# Altium PCB CRD25DA12N-FMC V1.2 (01-2024).PcbDoc (part 5 of 6) (continued)
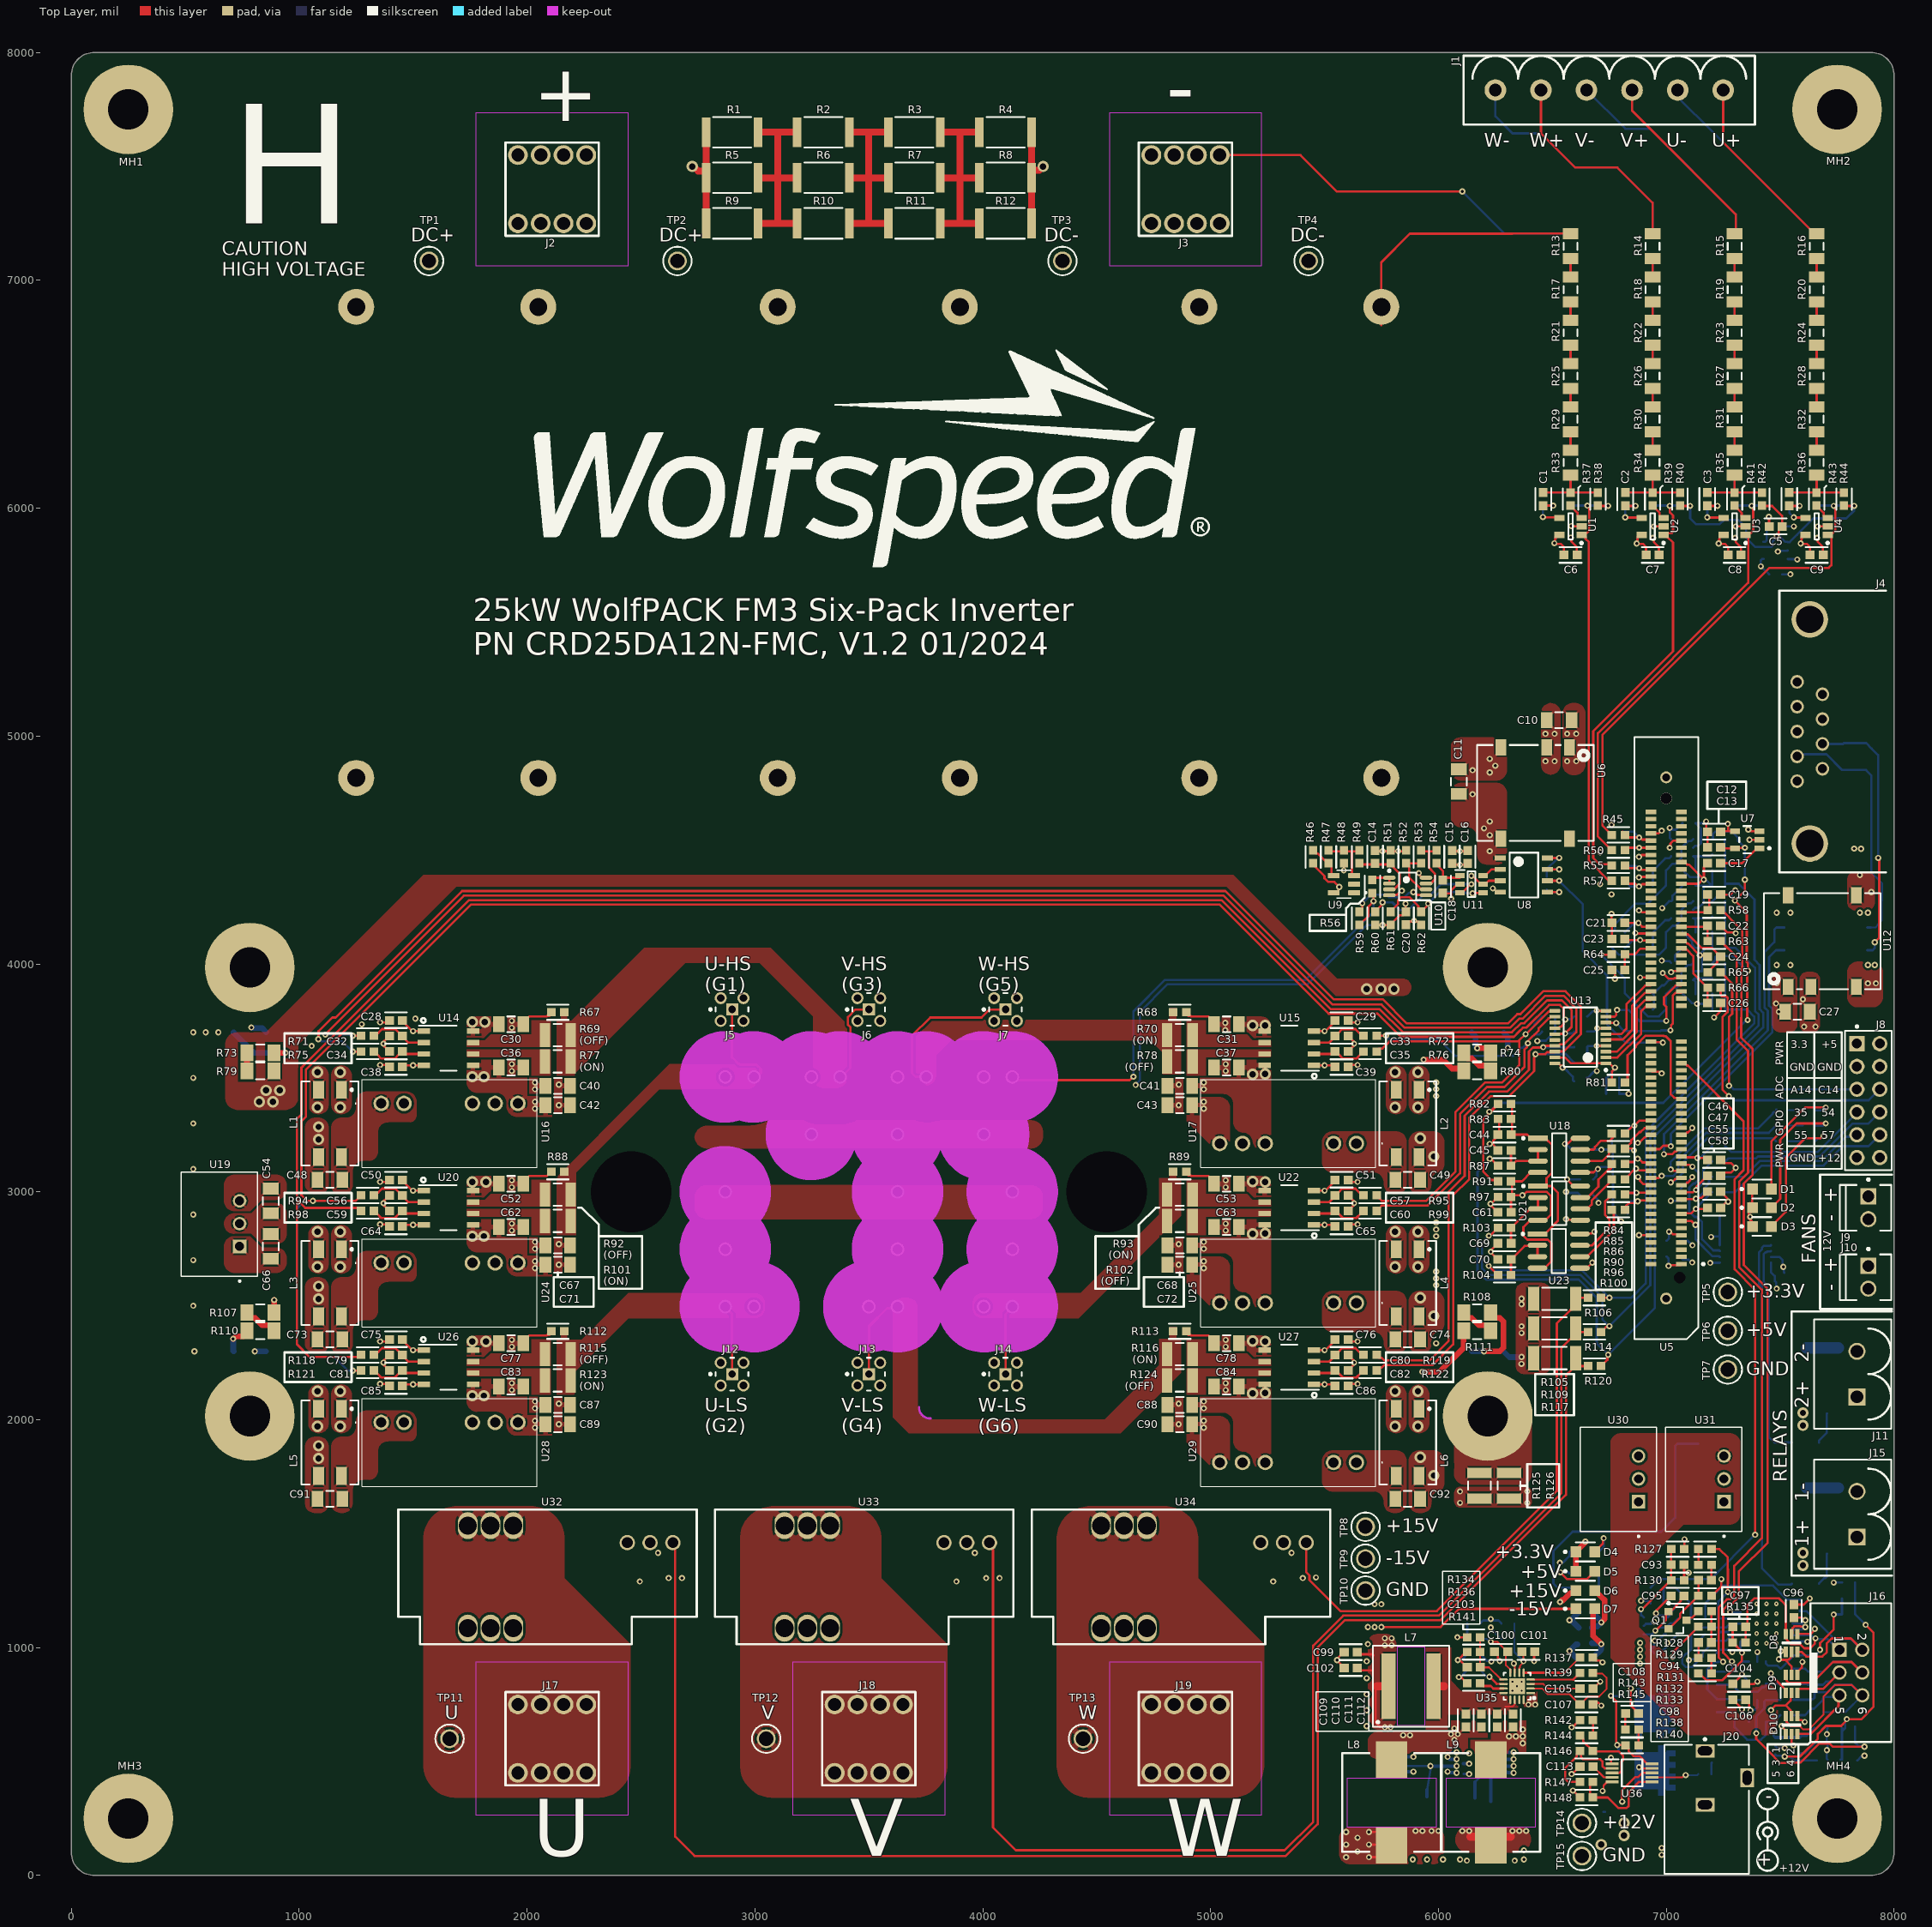
[diagram p0: Top Layer view]
## Nets (pads, with @x,y where several pads share a name; then routed paths per layer and width w, separated by ;. In a path a pad name is that pad's centre, name@x,y a point inside that pad or via, vN(x,y) a via of type N, cw(c..) or ccw(c..) an arc to the next point about the centre after c; other vN are vias at no path point) (continued)
  Bottom Layer w10: v1(1084.21,3669.48) 1088.81,3669.48 1098.29,3660 1190,3660 v1(1235,3615) ; v1(6425.85,3603.98) 6426.87,3605 6558.47,3605 6595.47,3568 R202.2@6596.38,3568
V_LS+_FILT: C82.1 R122.2 U27.2 | length 258
  Top Layer w10: U27.2@5453.27,2205 5540.42,2205 5545.21,2209.79 C82.1@5551.42,2216 ; C82.1@5546.42,2216 5546.42,2208.58 5552.86,2202.14 5562.86,2202.14 5580,2185 5640,2185 5657.52,2202.52 5657.52,2203.04 5670.47,2216 R122.2@5671.38,2216
V_LS-_FILT: C34.1 R75.2 U14.3 | length 258
  Top Layer w10: R75.2@1328.62,3616 1329.53,3616 1342.48,3603.04 1342.48,3602.52 1360,3585 1420,3585 1437.14,3602.14 1447.14,3602.14 1453.58,3608.58 C34.1@1453.58,3616 ; C34.1@1448.58,3616 1454.79,3609.79 1459.58,3605 U14.3@1546.73,3605
V_LS_PWM: U5.55 U13.2 | length 351.8
  Top Layer w10: U13.2@6735,3589.41 6785.92,3589.41 6890,3693.49 6890,3793.14 6908.75,3811.89 6931.93,3811.89 U5.55@6935,3814.96
V_OUT: J18.1 J18.2 J18.3 J18.4 J18.5 J18.6 J18.7 J18.8 TP12.1 U33.1 U33.2 U33.3
VCC: C107.1 R139.2 U35.2 | length 507.9
  Top Layer w8: U35.2@6404.39,820 U35.2@6404.23,820.16 6454.84,820.16 6480,795 6575.47,795 6620.47,750 C107.1@6621.42,750 6622.37,750 6657.37,785 6705,785 6737.5,817.5 6737.5,867.5 6719.8,885.2 6681.42,885.2 R139.2@6678.62,888
VDC_MEAS: C132.1 R57.2 U5.21 | length 205.5
  Top Layer w10: R57.2@6812.09,4355 6815.04,4352.04 6863.36,4352.04 6875.4,4340 6884.6,4340 6894.45,4349.85 6934.45,4349.85 U5.21@6935,4350.39
  Bottom Layer w10: C132.1@6822.55,4365 6837.47,4350.08 6837.47,4342.89 6840.36,4340 v1(6880,4340)
VIN: J20.1 Q5.5 R148.2 R246.2 U36.1 | length 125.9
  Top Layer w10: v1(6590.28,371.98) 6590.49,371.98 6620.47,342 R148.2@6621.38,342 ; v1(6757.39,516.18) 6757.39,490.27 6758.3,489.37 U36.1@6762.91,489.37
  Bottom Layer w10: R246.2@7198.62,445 7198.62,493.62 7200,495
VIN_MID: Q5.1 Q5.2 Q5.3 Q6.1 Q6.2 Q6.3
VIN_PROTECT: Q6.5 R247.1 U36.9 | length 57.5
  Top Layer w8: v1(6880.91,474.71) 6886.06,474.71 6891.82,468.94 6915.68,468.94 6915.68,468.84 U36.9@6935.93,468.84
VU_MEAS: C124.1 R45.2 U5.9 | length 225.3
  Top Layer w10: R45.2@6808.54,4580 6808.54,4577.05 6821.26,4564.33 6824.21,4564.33 6833.54,4555 v1(6881.1,4555) 6885.7,4555 6894.72,4545.98 6928.23,4545.98 U5.9@6933.07,4541.14
  Bottom Layer w10: C124.1@6808.54,4580 6856.1,4580 v1(6881.1,4555)
VU_N: J1.2 R149.1 | length 888.5
  Bottom Layer w10: J1.2@7050,7835 7066.17,7818.83 7066.17,7788.83 7190,7665 7190.28,7665 7650.16,7205.12 R149.1@7660,7205.12
VU_P: J1.1 R16.1 | length 805.5
  Top Layer w10: J1.1@7250,7835 7250,7605.28 7650.16,7205.12 R16.1@7660,7205.12
VV_MEAS: C125.1 R50.2 U5.11 | length 204
  Top Layer w10: R50.2@6808.54,4505 6813.54,4510 v1(6881.1,4510) 6881.28,4509.82 6933.05,4509.82 U5.11@6935,4507.87
  Bottom Layer w10: C125.1@6808.54,4505 6813.54,4510 v1(6881.1,4510)
VV_N: J1.4 R150.1 | length 967.7
  Bottom Layer w10: J1.4@6650,7835 6820,7665 6930,7665 7305,7290 7305,7210.12 R150.1@7300,7205.12
VV_P: J1.3 R15.1 | length 820.4
  Top Layer w10: J1.3@6850,7835 6850,7745 7305,7290 7305,7210.12 R15.1@7300,7205.12
VW_MEAS: C127.1 R55.2 U5.17 | length 206
  Top Layer w10: R55.2@6808.54,4430 6818.54,4420 v1(6881.1,4420) 6885.7,4420 6892.32,4413.39 U5.17@6935,4413.39
  Bottom Layer w10: C127.1@6812.55,4430 6866.5,4430 6876.5,4420 v1(6881.1,4420)
VW_N: J1.6 R151.1 | length 1097.3
  Bottom Layer w10: J1.6@6250,7835 6250,7720 6325,7645 6450,7645 6600,7495 6785,7495 6940,7340 R151.1@6940,7205.12
VW_P: J1.5 R14.1 | length 941.2
  Top Layer w10: J1.5@6450,7835 6450,7645 6600,7495 6785,7495 6940,7340 R14.1@6940,7205.12
W: Q2.W U34.4 U34.5 U34.6
W_HI_OC: C152.1 R96.2 U5.99 | length 161.7
  Top Layer w10: R96.2@6823.54,2995 6823.85,2995.31 v1(6869.39,2995.31) 6870.65,2996.57 6931.81,2996.57 U5.99@6933.07,2997.83
  Bottom Layer w10: C152.1@6823.54,2995 6823.85,2995.31 v1(6869.39,2995.31) ; v1@6869.39,3000.31 v1@6874.39,3000.31
W_HS: R76.1 R95.1 R198.2 U13.11 | length 2111.1
  Top Layer w10: R95.1@5728.62,2984 5729.53,2984 5742.48,2971.04 5742.48,2970.14 5752.62,2960 5945,2960 6075,3090 6075,3350 6205,3480 6280,3480 6355,3555 6355,3660 6355,3665 ; R76.1@5728.62,3616 5741.45,3628.83 5753.83,3628.83 5785,3660 6350,3660 6355,3665 ; v1(6382.91,3691.5) v1@6381.5,3691.5 ; U13.11@6510.59,3794.13 6507.72,3791.26 6484.71,3791.26 6384.95,3691.5 v1@6381.5,3691.5 ; 6355,3665 v1@6381.5,3691.5
  Bottom Layer w10: v1(6382.91,3691.5) 6420.72,3729.3 6420.72,3735.25 6455,3769.53 R198.2@6455,3770
W_HS+_FILT: C35.1 R76.2 U15.2 | length 258
  Top Layer w10: U15.2@5453.27,3605 5540.42,3605 5545.21,3609.79 C35.1@5551.42,3616 ; C35.1@5546.42,3616 5546.42,3608.58 5552.86,3602.14 5562.86,3602.14 5580,3585 5640,3585 5657.52,3602.52 5657.52,3603.04 5670.47,3616 R76.2@5671.38,3616
W_HS-_FILT: C57.1 R95.2 U22.3 | length 256.7
  Top Layer w10: U22.3@5453.27,2955 5521.47,2955 5550.47,2984 5550.47,2987.1 5561.24,2997.86 5577.24,3013.86 5636.14,3013.86 5653.04,2996.96 5658.42,2996.96 R95.2@5671.38,2984
W_HS_PWM: U5.50 U13.9 | length 518.5
  Top Layer w10: U13.9@6735,3768.54 6773.62,3768.54 6780.61,3775.53 6780.61,3795 v1(6783.87,3798.26) ; v1(7000,3750) 7000,3811.69 6990,3821.69 6990,3853.77 7040.83,3904.61 7064.02,3904.61 U5.50@7068.86,3909.45
  Bottom Layer w10: v1(6783.87,3798.26) 6834.2,3798.26 6882.46,3750 v1(7000,3750)
W_LO_OC: C154.1 R100.2 U5.101 | length 224.3
  Top Layer w10: R100.2@6823.54,2935 6823.54,2937.95 6836.26,2950.67 6861.87,2950.67 6869.86,2958.65 v1(6874.46,2958.65) ; v1@6874.4,2960.32 6876.53,2962.44 6932.87,2962.44 U5.101@6935,2964.57
  Bottom Layer w10: C154.1@6818.58,2915 C154.1@6830,2903.58 ; C154.1@6820,2915 6820,2931.46 6823.54,2935 6823.54,2936.97 6837.24,2950.67 6839.21,2950.67 6845.9,2957.36 6873.16,2957.36 v1(6874.46,2958.65)
W_LS: R72.1 R99.1 R200.2 U13.12 | length 2163.9
  Top Layer w10: R99.1@5728.62,2916 5729.53,2916 5742.48,2928.96 5742.48,2929.86 5752.62,2940 5953.28,2940 6095,3081.72 6095,3341.72 6213.28,3460 6289.93,3460 6377.35,3547.43 6377.35,3624.07 6389.19,3635.91 6389.19,3648.62 v1(6392.44,3651.88) ; R72.1@5728.62,3684 5729.77,3685.15 v1(5769.85,3685.15) ; v1@6389.03,3655.37 v1@6392.28,3658.62 ; v1@6392.14,3660.42 6440.35,3708.63 6440.35,3718.61 6483.57,3761.83 6488.13,3761.83 6494.84,3768.54 U13.12@6510.59,3768.54
  Bottom Layer w10: v1(5769.85,3685.15) 5785,3670 5999.69,3670 6073.19,3596.5 6328.24,3596.5 6364.34,3632.6 6371.41,3632.6 6392.14,3653.33 v1@6392.14,3658.62 ; v1@6388.03,3656.29 v1(6392.44,3651.88) ; v1@6392.14,3660.42 6422.05,3690.33 6442.52,3690.33 6455,3702.81 R200.2@6455,3703
W_LS+_FILT: C60.1 R99.2 U22.2 | length 258
  Top Layer w10: U22.2@5453.27,2905 5540.42,2905 5545.21,2909.79 C60.1@5551.42,2916 ; C60.1@5546.42,2916 5546.42,2908.58 5552.86,2902.14 5562.86,2902.14 5580,2885 5640,2885 5657.52,2902.52 5657.52,2903.04 5670.47,2916 R99.2@5671.38,2916
W_LS-_FILT: C33.1 R72.2 U15.3 | length 256.7
  Top Layer w10: U15.3@5453.27,3655 5521.47,3655 5550.47,3684 5550.47,3687.1 5561.24,3697.86 5577.24,3713.86 5636.14,3713.86 5653.04,3696.96 5658.42,3696.96 R72.2@5671.38,3684
W_LS_PWM: U5.52 U13.8 | length 504.5
  Top Layer w10: U13.8@6735,3742.95 6736.2,3741.75 6779.32,3741.75 v1(6780.52,3740.55) ; v1(7018.47,3708.51) 7021.72,3711.76 7021.72,3731.42 7028.5,3738.19 7028.5,3860.78 7040.83,3873.11 7064.02,3873.11 U5.52@7068.86,3877.95
  Bottom Layer w10: v1(6780.52,3740.55) 6816.07,3705 6973.95,3705 6977.46,3708.51 v1(7018.47,3708.51)
W_OUT: J19.1 J19.2 J19.3 J19.4 J19.5 J19.6 J19.7 J19.8 TP13.1 U34.1 U34.2 U34.3
pads on no net: HS1.1 HS1.2 HS1.4 J4.1 J4.4 J4.6 J4.8 MH1.1 MH2.1 MH3.1 MH4.1 Q2.MH1 Q2.MH2 U5. U5.1 U5.2 U5.3 U5.4 U5.5 U5.6 U5.8 U5.12 U5.14 U5.15 U5.18 U5.20 U5.23 U5.24 U5.25 U5.26 U5.27 U5.28 U5.31 U5.32 U5.41 U5.42 U5.43 U5.44 U5.45 U5.54 U5.56 U5.58 U5.59 U5.60 U5.61 U5.62 U5.63 U5.66 U5.67 U5.68 U5.69 U5.70 U5.71 U5.72 U5.73 U5.75 U5.76 U5.77 U5.78 U5.80 U5.82 U5.85 U5.86 U5.89 U5.103 U5.104 U5.105 U5.107 U5.109 U5.110 U5.113 U5.114 U5.115 U5.116 U5.117 U5.118 U5.119 U5.121 U5.122 U6.8 U9.1 U9.2 U12.8 U13.13 U13.16 U35.15 U42.11 U42.12 U42.13 U42.14 U42.15 U42.16 U43.7 U43.8

## Polygon pours and split planes (outlines as drawn)
GND on Layer 2 "Layer 2-GND" (solid, pour order 1838): 95 vertices, not listed, extent 490,50 7950,6174.89
DC+ on Layer 2 "Layer 2-DC+" (solid, pour order 2308): 4265,3185 4265,3259.86 ccw(c4210,3260) 4210,3315 2805,3315.04 2805,3312.91 ccw(c2790,3260) 2735,3260 2735,3185.09 ccw(c2790,3185) 2790,3130 4209.9,3130 ccw(c4210,3185)
DC- on Layer 2 "Layer 2-DC-" (solid, pour order 2301): 2790,2880 4209.9,2880 ccw(c4210,2935) 4265,2935.46 4265,2975 ccw(c4210,2975) 4210.01,3030 2789.63,3030 ccw(c2790,2975) 2735,2975 2735,2935.06 ccw(c2790,2935)
GND_NTC on Layer 2 "Layer 2-GND_NTC 1" (solid, pour order 2105): 4004.75,3445 4649.24,3445.01 ccw(c4649.99,3479.56) 4649.99,3445 ccw(c4649.99,3479.56) 4650,3445 ccw(c4650,3480) 4685,3480 4685,3495.01 ccw(c4650,3495) 4650.25,3530 4004.88,3530 ccw(c4005,3495) 3970,3495.19 3970,3480 ccw(c4005,3480)
S5 on Layer 2 "Layer 2-S5" (solid, pour order 2092): 29 vertices, not listed, extent 3580,3174.99 5265,3860
S4 on Layer 2 "Layer 2-S4" (solid, pour order 2086): 24 vertices, not listed, extent 3425,1775 5265,2585
S3 on Layer 2 "Layer 2-S3" (solid, pour order 1912): 31 vertices, not listed, extent 1735,3330 3555,4095
S1 on Layer 2 "Layer 2-S1" (solid, pour order 1871): 27 vertices, not listed, extent 1735,2630 3075,3875
S2 on Layer 2 "Layer 2-S2" (solid, pour order 1856): 26 vertices, not listed, extent 1735,1930 3075,2585
S6 on Layer 2 "Layer 2-S6" (solid, pour order 208): 29 vertices, not listed, extent 3925,2120 5265,3110
GND_NTC on Layer 2 "Layer 2-GND_NTC" (solid, pour order 2108): 18 vertices, not listed, extent 5425,4140 6300,4995
W_OUT on Layer 2 "Layer 2-W_OUT" (solid, pour order 650): 25 vertices, not listed, extent 4325,340 5235,1620
V_OUT on Layer 2 "Layer 2-V_OUT" (solid, pour order 649): 25 vertices, not listed, extent 2935,340 3845,1620
U_OUT on Layer 2 "Layer 2-U_OUT" (solid, pour order 927): 25 vertices, not listed, extent 1545,340 2455,1620
GND_ISO on Layer 2 "Layer 2-GND_ISO" (solid, pour order 550): 7720,4445 cw(c7718.14,4368.15) 7794.99,4366.29 7795,4365.13 7795,3855 ccw(c7840.04,3855.04) 7840.09,3810 7905.12,3810 ccw(c7905.06,3854.94) 7950,3855 7950,5523.95 ccw(c7879.48,5524.36) 7879.89,5594.88 7614.1,5594.88 ccw(c7611.97,5522.91) 7540,5525.04 7540,4515.03 ccw(c7610.02,4515.02) 7610.01,4445
+15V on Layer 4 "Layer 4-+15V" (solid, pour order 2253): 66 vertices, not listed, extent 2380,50 6905,2590
+3.3V on Layer 4 "Layer 4-+3.3V" (solid, pour order 2248): 52 vertices, not listed, extent 6015,490 7950,6175
VIN on Layer 4 "Layer 4-VIN" (solid, pour order 1731): 6615,50 7245,50 ccw(c7245,120) 7315,120 7315,530 ccw(c7245,530) 7245,600 6615,600 ccw(c6615,530) 6545,530 6545,120 ccw(c6615,120)
+15V on Layer 4 "Layer 4-+15V 1" (solid, pour order 2240): 6496.49,1263.51 ccw(c6540,1275) 6528.51,1231.49
U on Layer 4 "Bottom Layer-U" (solid, pour order 2033): 25 vertices, not listed, extent 1545,1000 2955,2845
V on Layer 4 "Bottom Layer-V" (solid, pour order 2030): 17 vertices, not listed, extent 2935,1000 3710,2845.01
W on Layer 4 "Bottom Layer-W" (solid, pour order 2029): 18 vertices, not listed, extent 4045,1000 4880,2845
DC+ on Layer 4 "Layer 4-DC+" (solid, pour order 1989): 53 vertices, not listed, extent 760,3125 6240.01,7740.1
+5V_NTC on Layer 4 "Layer 2-GND_NTC" (solid, pour order 2110): 18 vertices, not listed, extent 5425,4140 6300,4995
+12V on Layer 4 "Layer 4-+12V" (solid, pour order 1686): 20 vertices, not listed, extent 490,1590 1575,3785
+5V on Layer 4 "Layer 4-+5V 1" (solid, pour order 1716): 5960,1790 ccw(c5959.91,1835.09) 6005,1835 6005,3730.21 ccw(c5960,3730) 5960,3775 5630.72,3775 5470.31,3775 ccw(c5470.23,3729.77) 5425,3730.13 5425,1835 ccw(c5470.27,1835.27) 5470.31,1790
-3V_V_HS on Layer 4 "Layer 4--3V_V_HS" (solid, pour order 1926): 1780,3330 2180.14,3330 ccw(c2180,3375) 2225,3375 2225,3765.14 ccw(c2180,3765) 2180,3810 1779.86,3810 ccw(c1780,3765) 1735,3765 1735,3374.86 ccw(c1780,3375)
-3V_W_HS on Layer 4 "Layer 4--3V_W_HS" (solid, pour order 296): 4990,3780 4940,3780 4910,3810 4814.87,3810 ccw(c4815,3765) 4770,3765 4770,3349.83 ccw(c4815,3350) 4815,3305 4890,3305 5020,3175 5220.06,3175 ccw(c5220,3220) 5265,3220 5265,3725.1 ccw(c5220,3725) 5220,3770 5000,3770
-3V_V_LS on Layer 4 "Layer 4--3V_V_LS" (solid, pour order 1928): 4990,2380 4940,2380 4910,2410 4814.87,2410 ccw(c4815,2365) 4770,2365 4770,1949.83 ccw(c4815,1950) 4815,1905 4890,1905 5020,1775 5220.06,1775 ccw(c5220,1820) 5265,1820 5265,2325.1 ccw(c5220,2325) 5220,2370 5000,2370
-3V_W_LS on Layer 4 "Layer 4--3V_W_LS" (solid, pour order 1927): 4990,3080 4940,3080 4910,3110 4814.87,3110 ccw(c4815,3065) 4770,3065 4770,2649.83 ccw(c4815,2650) 4815,2605 4890,2605 5020,2475 5220.06,2475 ccw(c5220,2520) 5265,2520 5265,3025.1 ccw(c5220,3025) 5220,3070 5000,3070
-3V_U_HS on Layer 4 "Layer 4--3V_U_HS" (solid, pour order 1864): 1780,2630 2180.14,2630 ccw(c2180,2675) 2225,2675 2225,3065.14 ccw(c2180,3065) 2180,3110 1779.86,3110 ccw(c1780,3065) 1735,3065 1735,2674.86 ccw(c1780,2675)
-3V_U_LS on Layer 4 "Layer 4--3V_U_LS" (solid, pour order 1854): 1780,1930 2180.14,1930 ccw(c2180,1975) 2225,1975 2225,2365.14 ccw(c2180,2365) 2180,2410 1779.86,2410 ccw(c1780,2365) 1735,2365 1735,1974.86 ccw(c1780,1975)
+5V_ISO on Layer 4 "Layer 4-+5V_ISO" (solid, pour order 1210): 29 vertices, not listed, extent 7540,3810 7950,5594.88
+12V on Layer 3 "Layer 3-+12V" (solid, pour order 2246): 39 vertices, not listed, extent 5425,50 7950,3935
-15V on Layer 3 "Layer 3--15V" (solid, pour order 2204): 46 vertices, not listed, extent 2380,50 6150,1515
+15V on Layer 3 "Layer 3-+15V" (solid, pour order 2179): 7845,490 ccw(c7845,595) 7950,595 7950,1185 ccw(c7905,1185) 7905,1230 6909.9,1230 ccw(c6910,1185) 6865,1185 6865,534.97 ccw(c6910,535) 6910,490
+5V on Layer 3 "Layer 3-+5V" (solid, pour order 1603): 41 vertices, not listed, extent 5975,1800 7950,6175
DC- on Layer 3 "Layer 3-DC-" (solid, pour order 1961): 57 vertices, not listed, extent 760,2878.55 6240,7740
+5V_NTC on Layer 3 "Layer 2-GND_NTC" (solid, pour order 2109): 18 vertices, not listed, extent 5425,4140 6300,4995
V_OUT on Layer 3 "Layer 3-V_OUT" (solid, pour order 653): 3845,1015 3555,1305 3555,1475.39 ccw(c3410,1475) 3410,1620 3080.47,1620 ccw(c3079.99,1475.01) 2935,1475 2935,485 ccw(c3080,485) 3080,340 3699.83,340 ccw(c3700,485) 3845,485
+5V_ALT on Layer 3 "Layer 3-+5V_ALT" (solid, pour order 1328): 20 vertices, not listed, extent 490,1590 1575,3785
+15V_W_HS on Layer 3 "Layer 3-+15V_W_HS" (solid, pour order 652): 4990,3780 4940,3780 4910,3810 4814.87,3810 ccw(c4815,3765) 4770,3765 4770,3349.83 ccw(c4815,3350) 4815,3305 4890,3305 5020,3175 5220.06,3175 ccw(c5220,3220) 5265,3220 5265,3725.1 ccw(c5220,3725) 5220,3770 5000,3770
+15V_V_LS on Layer 3 "Layer 3-+15V_V_LS" (solid, pour order 1925): 4990,2380 4940,2380 4910,2410 4814.87,2410 ccw(c4815,2365) 4770,2365 4770,1949.83 ccw(c4815,1950) 4815,1905 4890,1905 5020,1775 5220.06,1775 ccw(c5220,1820) 5265,1820 5265,2325.1 ccw(c5220,2325) 5220,2370 5000,2370
+15V_W_LS on Layer 3 "Layer 3-+15V_W_LS" (solid, pour order 1924): 4990,3080 4940,3080 4910,3110 4814.87,3110 ccw(c4815,3065) 4770,3065 4770,2649.83 ccw(c4815,2650) 4815,2605 4890,2605 5020,2475 5220.06,2475 ccw(c5220,2520) 5265,2520 5265,3025.1 ccw(c5220,3025) 5220,3070 5000,3070
W_OUT on Layer 3 "Layer 3-W_OUT" (solid, pour order 830): 5235,1015 4945,1305 4945,1475.39 ccw(c4800,1475) 4800,1620 4470.24,1620 ccw(c4470,1475) 4325,1475 4325,485 ccw(c4470,485) 4470,340 5089.83,340 ccw(c5090,485) 5235,485
U_OUT on Layer 3 "Layer 3-U_OUT" (solid, pour order 1194): 2455,1015 2165,1305 2165,1475.39 ccw(c2020,1475) 2020,1620 1690.38,1620 ccw(c1689.99,1475.01) 1545,1475 1545,485 ccw(c1690,485) 1690,340 2309.83,340 ccw(c2310,485) 2455,485
+5V_ISO on Layer 3 "Layer 3-+5V_ISO" (solid, pour order 1265): 29 vertices, not listed, extent 7540,3810 7950,5594.88
+15V_U_LS on Layer 3 "Layer 3-+15V_U_LS" (solid, pour order 1847): 1780,1930 2180.14,1930 ccw(c2180,1975) 2225,1975 2225,2365.14 ccw(c2180,2365) 2180,2410 1779.86,2410 ccw(c1780,2365) 1735,2365 1735,1974.86 ccw(c1780,1975)
+15V_U_HS on Layer 3 "Layer 3-+15V_U_HS" (solid, pour order 1855): 1780,2630 2180.14,2630 ccw(c2180,2675) 2225,2675 2225,3065.14 ccw(c2180,3065) 2180,3110 1779.86,3110 ccw(c1780,3065) 1735,3065 1735,2674.86 ccw(c1780,2675)
+15V_V_HS on Layer 3 "Layer 3-+15V_V_HS" (solid, pour order 1879): 1780,3330 2180.14,3330 ccw(c2180,3375) 2225,3375 2225,3765.14 ccw(c2180,3765) 2180,3810 1779.86,3810 ccw(c1780,3765) 1735,3765 1735,3374.86 ccw(c1780,3375)
-15V on Bottom Layer "Bottom Layer--15V" (solid, pour order 2402): 82 vertices, not listed, extent 2380,50 6680,2600
NetC189_1 on Bottom Layer "Bottom Layer-NetC187_1" (solid, pour order 2399): 6495,370 6495,425.05 ccw(c6460.02,425.02) 6460.05,460 6389.81,460 ccw(c6390,425) 6355,425 6355,410 6355,385 6443.54,385 6443.54,295 6365,295 6365,260 ccw(c6390,260) 6390,235 6460.03,235 ccw(c6459.96,270.04) 6495,270.04
+15V on Bottom Layer "Bottom Layer-+15V 3" (solid, pour order 2396): 6405,85 6405,125 6085,125 6085,84.91 ccw(c6120,85) 6120.45,50 6370.09,50 ccw(c6370,85)
GND on Bottom Layer "Bottom Layer-GND 7" (solid, pour order 2389): 5845,50 ccw(c5845,85) 5845.42,50 6035.2,50 ccw(c6035,85) 6070,85 6070,130 5810,130 5810,84.91 ccw(c5845,85)
NetC109_2 on Bottom Layer "Bottom Layer-NetC202_2" (solid, pour order 2382): 5840,500 5840,585 6070.07,585 ccw(c6070,610) 6095,610 6095,635 ccw(c6070,635) 6070,660 5850.1,660 ccw(c5850,645) 5835,645 cw(c5820,645) 5820,630 5750,630 5720,630 ccw(c5720,595) 5685,595 5685,499.85 ccw(c5720,500) 5720,465 5804.47,465 ccw(c5805,500)
NetC198_1 on Bottom Layer "Bottom Layer-NetC214_1" (solid, pour order 2369): 5685,254.88 ccw(c5720,255) 5719.87,220 5775.12,220 ccw(c5775.12,254.88) 5810,254.88 5810,295 5720,295 5720,380 5840,380 5840,419.56 ccw(c5804.67,419.67) 5804.56,455 5719.92,455 ccw(c5719.99,420.01) 5685,419.56
NetC111_2 on Bottom Layer "Bottom Layer-NetC186_2" (solid, pour order 2359): 6389.77,470 6460,470 ccw(c6460,505) 6495,505 6495,625.15 ccw(c6459.96,624.96) 6459.96,660 6360,660 6154.92,660 ccw(c6155,625) 6120,624.99 6120,599.88 ccw(c6155,600) 6155,565 6355,565 6355,504.88 ccw(c6390,505)
NetD16_2 on Bottom Layer "Bottom Layer-NetD18_2" (solid, pour order 1650): 18 vertices, not listed, extent 7470,1329.99 7950,1850
+12V on Bottom Layer "Bottom Layer-+12V 5" (solid, pour order 2340): 5825,680 5825,775 5825,1020.09 ccw(c5785,1020) 5790,1059.69 ccw(c5795,1020) 5755,1020 5755,925 5755,679.87 ccw(c5795,680) 5790,640.31 ccw(c5785,680)
GND on Bottom Layer "Bottom Layer-GND 8" (solid, pour order 2332): 5665,679.87 ccw(c5705,680) 5705,640 5705.16,640 ccw(c5705,680) 5745,680 5745,775 5745,1020.09 ccw(c5705,1020) 5705,1060 5704.84,1060 ccw(c5705,1020) 5665,1020 5665,925
VIN_MID on Bottom Layer "Bottom Layer-VIN_MID" (solid, pour order 1428): 17 vertices, not listed, extent 6715,365 6850,770
GND on Bottom Layer "NONET_L-01_P-001" (solid, pour order 2122): 6085,575 6085,310 5730,310 5730,370 5850,370 5850,575
+15V on Bottom Layer "NONET_L-01_P-001" (solid, pour order 2121): 6100,580 6100,305 6440,305 6440,375 6345,375 6345,580
GND on Bottom Layer "NONET_L-01_P-001" (solid, pour order 2126): 6405,140 6405,210 6360,210 6360,217.5 6360,295 6100,295 6100,140
VIN on Bottom Layer "Bottom Layer-VIN" (solid, pour order 1634): 18 vertices, not listed, extent 6860,485 7280,830
VIN_PROTECT on Bottom Layer "Bottom Layer-VIN_PROTECT" (solid, pour order 1442): 7055,189.81 7055,545.19 ccw(c7020,545) 7020.17,580 6879.93,580 ccw(c6880.07,559.93) 6860,559.93 6860,190 ccw(c6895,190) 6895,155 7020.25,155 ccw(c7020,190)
+12V on Bottom Layer "Bottom Layer-+12V 4" (solid, pour order 1436): 6679.88,84.82 ccw(c6714.88,85) 6715,50 6810.07,50 ccw(c6809.98,84.91) 6844.88,84.82 6844.88,295.24 ccw(c6809.99,295.11) 6810.07,330 6714.69,330 ccw(c6714.88,295.01) 6679.88,295.24
DC+ on Bottom Layer "Bottom Layer-DC+" (solid, pour order 1991): 45 vertices, not listed, extent 760,3180 6240.01,7740.1
U on Bottom Layer "Bottom Layer-U" (solid, pour order 809): 25 vertices, not listed, extent 1545,1000 2955,2845
W on Bottom Layer "Bottom Layer-W" (solid, pour order 806): 18 vertices, not listed, extent 4045,1000 4880,2845
V on Bottom Layer "Bottom Layer-V" (solid, pour order 780): 17 vertices, not listed, extent 2935,1000 3710,2845.01
+5V_ISO on Bottom Layer "+5V_ISO_L06_P517" (solid, pour order 517): 7795,4395 7795,4295 7910,4295 7910,4340 7885,4340 7885,4395
NetC92_1 on Bottom Layer "NONET_L-01_P-001" (solid, pour order 974): 5535,1865 ccw(c5535,1820) 5490,1820 5490,1730 ccw(c5535,1730) 5535,1685 5715,1685 cw(c5715,1640) 5760,1640 5760,1635 ccw(c5805,1635) 5805,1590 5925,1590 ccw(c5925,1635) 5970,1635 5970,1645.83 cw(c6004.58,1650.42) 6000,1685 ccw(c5992.08,1717.08) 6025,1720 6025,1820 ccw(c5980,1820) 5980,1865
S5 on Bottom Layer "Bottom Layer-S5" (solid, pour order 2027): 31 vertices, not listed, extent 4770,3175 5265,3810
-3V_W_HS on Bottom Layer "Bottom Layer--3V_W_HS" (solid, pour order 2026): 5210,3175 5220,3175 ccw(c5220,3220) 5265,3220 5265,3515.28 ccw(c5220,3515) 5220.06,3560 5184.85,3560 ccw(c5185,3515) 5140,3515 5140,3460.13 ccw(c5165.05,3460.05) 5165.06,3435 cw(c5165,3415) 5185,3415 5185,3200 ccw(c5210,3200)
+15V_W_HS on Bottom Layer "Bottom Layer-+15V_W_HS" (solid, pour order 2025): 5040,3175 ccw(c5039.95,3220.05) 5085,3220 5085,3230 5010,3305 5010,3370.14 ccw(c4965,3370) 4965.14,3415 ccw(c4965.15,3369.85) 4920,3370 4920,3275 5020,3175
S6 on Bottom Layer "Bottom Layer-S6" (solid, pour order 2024): 31 vertices, not listed, extent 4770,2475 5265,3110
-3V_W_LS on Bottom Layer "Bottom Layer--3V_W_LS" (solid, pour order 2023): 5210,2475 5220,2475 ccw(c5220,2520) 5265,2520 5265,2815.28 ccw(c5220,2815) 5220.06,2860 5184.85,2860 ccw(c5185,2815) 5140,2815 5140,2760.13 ccw(c5165.05,2760.05) 5165.06,2735 cw(c5165,2715) 5185,2715 5185,2500 ccw(c5210,2500)
+15V_W_LS on Bottom Layer "Bottom Layer-+15V_W_LS" (solid, pour order 2022): 5040,2475 ccw(c5039.95,2520.05) 5085,2520 5085,2530 5010,2605 5010,2670.14 ccw(c4965,2670) 4965.14,2715 ccw(c4965.15,2669.85) 4920,2670 4920,2575 5020,2475
S4 on Bottom Layer "Bottom Layer-S4" (solid, pour order 2021): 31 vertices, not listed, extent 4770,1775 5265,2410
-3V_V_LS on Bottom Layer "Bottom Layer--3V_V_LS" (solid, pour order 2003): 5210,1775 5220,1775 ccw(c5220,1820) 5265,1820 5265,2115.28 ccw(c5220,2115) 5220.06,2160 5184.85,2160 ccw(c5185,2115) 5140,2115 5140,2060.13 ccw(c5165.05,2060.05) 5165.06,2035 cw(c5165,2015) 5185,2015 5185,1800 ccw(c5210,1800)
+15V_V_LS on Bottom Layer "Bottom Layer-+15V_V_LS" (solid, pour order 1997): 5040,1775 ccw(c5039.95,1820.05) 5085,1820 5085,1830 5010,1905 5010,1970.14 ccw(c4965,1970) 4965.14,2015 ccw(c4965.15,1969.85) 4920,1970 4920,1875 5020,1775
S1 on Bottom Layer "Bottom Layer-S2" (solid, pour order 1852): 21 vertices, not listed, extent 1830,2630 2225.07,3080
-3V_U_HS on Bottom Layer "Bottom Layer--3V_U_LS" (solid, pour order 1851): 1735,2674.9 ccw(c1780,2675) 1777.5,2630.07 ccw(c1775,2675) 1820,2674.91 1820,2715.4 1820.37,2715.77 cw(c1865,2710) 1859.85,2754.7 ccw(c1859.7,2800) 1905,2799.91 1905,3035.14 ccw(c1860,3035) 1860.23,3080 1779.81,3080 ccw(c1780,3035) 1735,3035 1735,2725
+15V_U_HS on Bottom Layer "Bottom Layer-+15V_U_LS" (solid, pour order 1850): 1980,2630 2005.11,2630 ccw(c2005,2675) 2050,2674.9 2050,2680.17 ccw(c2005,2680) 2005.11,2725 1979.86,2725 ccw(c1980,2680) 1935,2680 1935,2725 1935,2677.5 1935,2674.9 ccw(c1980,2675)
-3V_U_LS on Bottom Layer "Bottom Layer--3V_U_LS" (solid, pour order 1034): 1735,1974.9 ccw(c1780,1975) 1777.5,1930.07 ccw(c1775,1975) 1820,1974.91 1820,2015.4 1820.37,2015.77 cw(c1865,2010) 1859.85,2054.7 ccw(c1859.7,2100) 1905,2099.91 1905,2335.14 ccw(c1860,2335) 1860.23,2380 1779.81,2380 ccw(c1780,2335) 1735,2335 1735,2025
GND on Bottom Layer "Bottom Layer-GND 4" (solid, pour order 1678): 6730,4275 6740.1,4275 ccw(c6740,4320) 6785,4319.97 6785,4600.16 ccw(c6740,4600) 6740.09,4645 6729.85,4645 ccw(c6730,4600) 6685,4600 6685,4319.96 ccw(c6730,4320)
GND on Bottom Layer "Bottom Layer-GND 5" (solid, pour order 1670): 7470,1979.76 ccw(c7505,1979.76) 7505.14,1944.76 7600.14,1944.76 ccw(c7600,1979.76) 7635,1979.6 7635,2119.91 ccw(c7600,2119.77) 7600.18,2154.76 7504.81,2154.76 ccw(c7505,2119.77) 7470,2119.77
+12V on Bottom Layer "Bottom Layer-+12V 2" (solid, pour order 1669): 7875,1979.54 7875,2119.85 ccw(c7840,2119.76) 7840.15,2154.76 7789.82,2154.76 ccw(c7790,2119.77) 7755,2119.88 7755,1979.76 ccw(c7790,1979.76) 7789.87,1944.76 7840.18,1944.76 ccw(c7840,1979.76)
NetD15_2 on Bottom Layer "Bottom Layer-NetD17_2" (solid, pour order 1668): 18 vertices, not listed, extent 7470,1944.76 7950,2464.76
GND on Bottom Layer "Bottom Layer-GND 6" (solid, pour order 1667): 7470,1365 ccw(c7505,1365) 7505.14,1330 7600.14,1330 ccw(c7600,1365) 7635,1364.84 7635,1505.15 ccw(c7600,1505) 7600.18,1540 7504.81,1540 ccw(c7505,1505) 7470,1505
+12V on Bottom Layer "Bottom Layer-+12V 3" (solid, pour order 1659): 7875,1364.78 7875,1505.08 ccw(c7840,1505) 7840.15,1540 7789.82,1540 ccw(c7790,1505) 7755,1505.12 7755,1365 ccw(c7790,1365) 7789.87,1330 7840.18,1330 ccw(c7840,1365)
GND on Bottom Layer "Bottom Layer-GND 9" (solid, pour order 1451): 6969.99,50 ccw(c6969.89,75.11) 6995,74.99 6995,115.03 ccw(c6969.85,114.85) 6969.95,140 6884.96,140 ccw(c6885.06,114.94) 6860,114.94 6860,74.97 ccw(c6885.11,75.11) 6885.01,50
NetC91_2 on Bottom Layer "Bottom Layer-NetC157_2" (solid, pour order 1011): 24 vertices, not listed, extent 1025,1590 1515.4,2040
+15V on Bottom Layer "Bottom Layer-+15V" (solid, pour order 1419): 5370,1334.96 5370,1489.91 ccw(c5344.91,1489.91) 5344.98,1515 5304.95,1515 ccw(c5305.07,1489.93) 5280,1489.92 5280,1405 5280,1391.3 5280,1334.98 ccw(c5305.03,1335.03) 5304.94,1310 5344.97,1310 ccw(c5344.97,1335.03)
GND on Bottom Layer "Bottom Layer-GND" (solid, pour order 1130): 5505,1234.92 5505,1365.14 ccw(c5457.49,1367.5) 5460.08,1415 5425,1415 ccw(c5425.07,1369.93) 5380,1370 5380,1234.92 ccw(c5427.46,1237.47) 5429.85,1190 5460.08,1190 ccw(c5459.99,1235.01)
+15V on Bottom Layer "Bottom Layer-+15V 1" (solid, pour order 1128): 3980,1334.96 3980,1489.91 ccw(c3954.91,1489.91) 3954.98,1515 3914.95,1515 ccw(c3915.07,1489.93) 3890,1489.92 3890,1405 3890,1391.3 3890,1334.98 ccw(c3915.03,1335.03) 3914.94,1310 3954.97,1310 ccw(c3954.97,1335.03)
GND on Bottom Layer "Bottom Layer-GND 2" (solid, pour order 1127): 4115,1234.92 4115,1365.14 ccw(c4067.49,1367.5) 4070.08,1415 4035,1415 ccw(c4035.07,1369.93) 3990,1370 3990,1234.92 ccw(c4037.46,1237.47) 4039.85,1190 4070.08,1190 ccw(c4069.99,1235.01)
+15V on Bottom Layer "Bottom Layer-+15V 2" (solid, pour order 1125): 2590,1334.96 2590,1489.91 ccw(c2564.91,1489.91) 2564.98,1515 2524.95,1515 ccw(c2525.07,1489.93) 2500,1489.92 2500,1405 2500,1391.3 2500,1334.98 ccw(c2525.03,1335.03) 2524.94,1310 2564.97,1310 ccw(c2564.97,1335.03)
GND on Bottom Layer "Bottom Layer-GND 3" (solid, pour order 1124): 2720,1234.92 2720,1365 ccw(c2674.92,1369.95) 2680.08,1415 2645,1415 ccw(c2645.07,1369.93) 2600,1370 2600,1234.92 ccw(c2647.46,1237.47) 2649.85,1190 2675.08,1190 ccw(c2674.99,1235.01)
NetC48_2 on Bottom Layer "Bottom Layer-NetC106_2" (solid, pour order 1122): 24 vertices, not listed, extent 1025,2990 1515.4,3440
NetC73_2 on Bottom Layer "Bottom Layer-NetC136_2" (solid, pour order 1108): 24 vertices, not listed, extent 1025,2290 1515.4,2740